# KiCad board 2000ATX.kicad_pcb (continued)
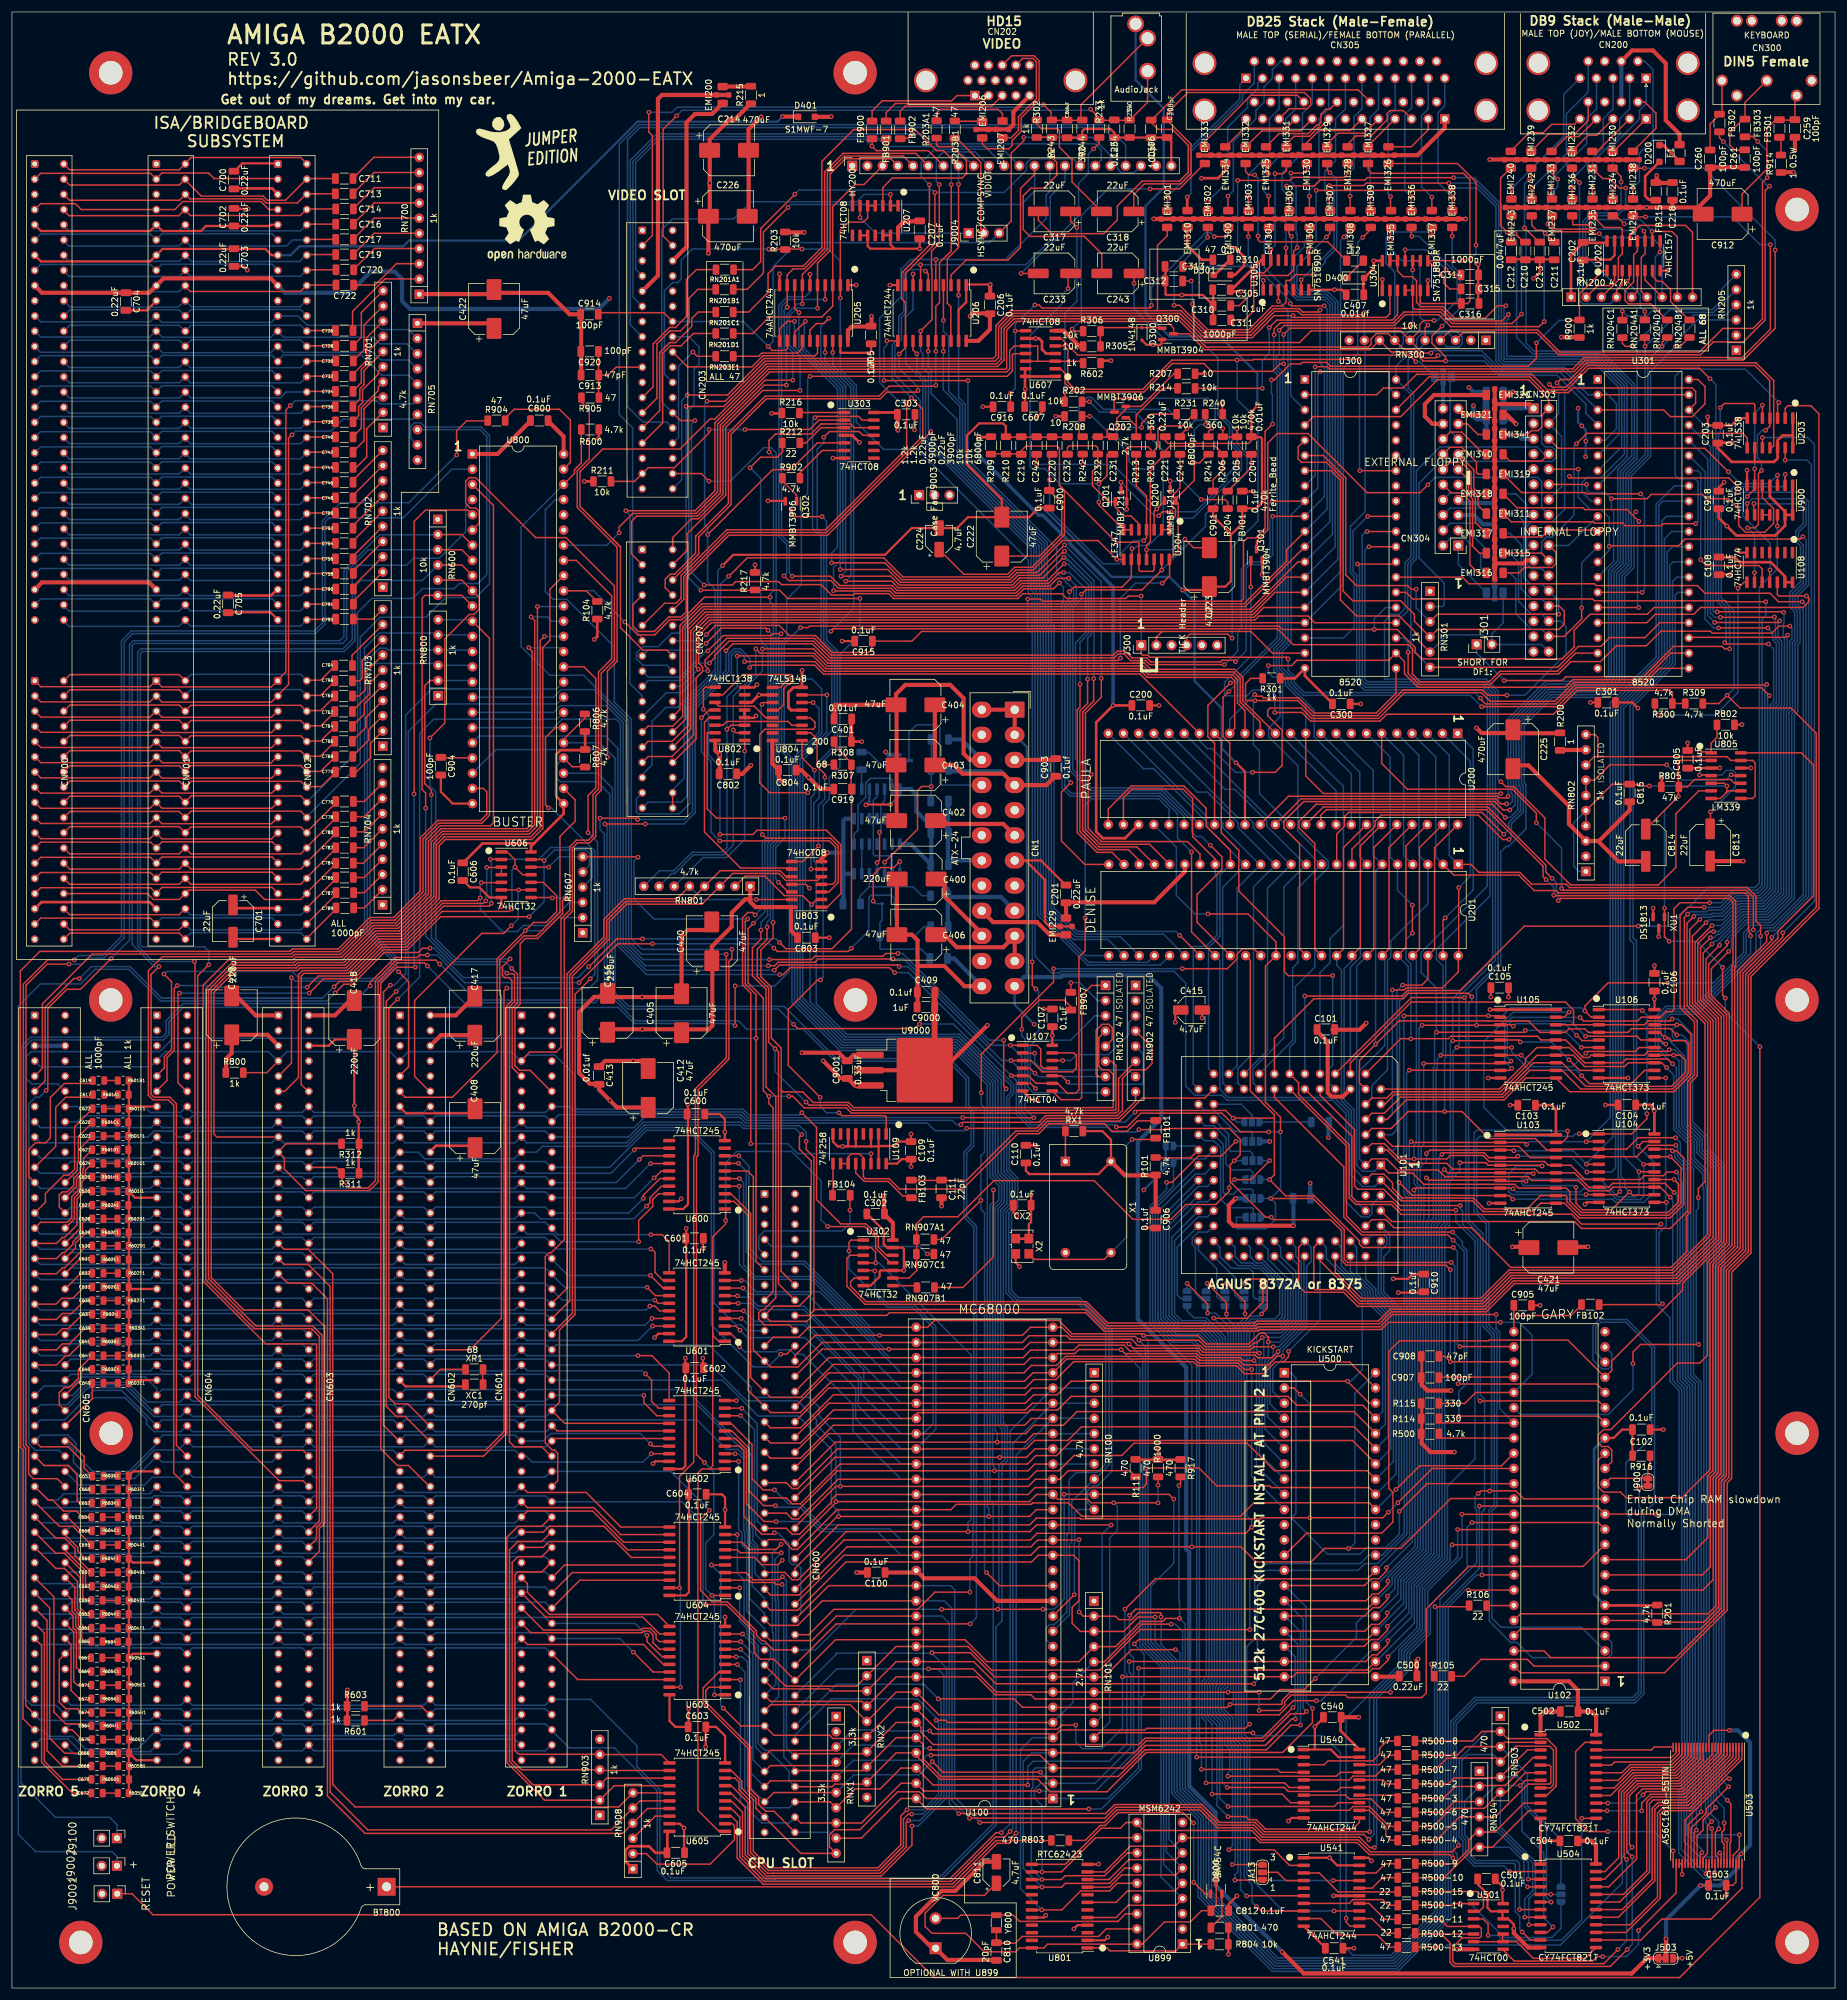
[diagram p0: board, top side]
## Routing (per net, layer and track width the routed paths; a pad name or vN(x,y) marks a point on that pad's centre or on a via; arc(x,y) is an arc through that point) (continued)
_BLS: length 93
  Top w0.25: U102.19 265.22,98.1 v1(245.47,98.1) ; v1(242.16,130.76) 232.06,130.76 229.35,133.47 225.01,133.47 224.47,134.02 224.47,143.43 218.69,149.21 U101.19
  Bottom w0.25: v1(242.16,130.76) 242.16,130.19 242.53,129.83 242.53,127.61 245.04,125.09 245.04,98.53 v1(245.47,98.1)
_BOSS: length 224.3
  Top w0.25: U800.39 96.02,233.48 97.87,231.63 ; v1(102.46,228.27) 104.63,226.11 107.45,226.11 109.99,228.65 112.02,228.65 115.79,232.41 v1(126.75,232.41) ; v1(125.22,176.78) 125.22,175.26 123.79,173.83 123.79,169.15 126.06,166.88 126.06,150.58 127.7,148.94 127.7,115.34 125.72,113.36 125.36,113.36 124.85,112.85 124.85,111.76 125.79,110.82 129.93,110.82 130.8,109.96 ; v1(126.57,256.67) 126.57,258.6 127.66,259.69 133.6,259.69 135.27,261.36 140.18,261.36 140.8,260.73 U303.12
  Bottom w0.25: 126.59,256.67 127.31,255.95 127.31,233.48 126.75,232.92 v1(126.75,232.41) 126.75,231.65 127.31,231.08 127.31,192.13 126.35,191.16 126.35,179.18 125.22,178.05 v1(125.22,176.78) ; U800.39 97.26,233.48 v1(102.46,228.27)
_BR: length 227.8
  Top w0.25: v1(130.69,161.04) 131.4,160.32 150.98,160.32 v1(151.74,161.09) ; U100.13 v1(177.61,65.72)
  Bottom w0.25: U800.27 97.89,203 100.38,200.51 100.38,166.12 102.92,163.58 128.14,163.58 v1(130.69,161.04) ; v1(177.61,65.72) 177.61,74.36 177.68,74.43 177.68,79.49 178.16,79.96 RN100.10 179.82,81.08 179.82,83.04 180.7,83.91 181.49,83.91 183.89,86.31 183.89,109.99 178.53,115.35 168.29,115.35 167.1,116.54 167.1,129.31 168.15,130.36 168.15,135.38 166.75,136.78 166.75,148.76 167.46,149.48 167.46,151 157.38,161.09 v1(151.74,161.09)
_BRST: length 337.3
  Top w0.25: 171.5,271.83 171.5,274.37 167.56,274.37 166.81,273.62 166.81,270.57 166.29,270.05 126.68,270.05 117.98,261.35 117.98,250 114.38,246.41 103.79,246.41 101.52,244.14 v1(101.52,243.18) ; 171.5,271.83 169.38,271.83 ; 171.5,271.83 176.33,271.83 ; U300.34 v1(225.35,253.54) ; U108.10 292.61,237.13 292.05,237.69 283.26,237.69 282.3,238.66 ; v1(204,225.55) 203.95,225.55 203.27,226.23 196.93,226.23 196.42,225.72 J300.4 ; 176.33,271.83 179.04,271.83 ; 176.33,271.83 176.52,271.64 ; v1(225.3,271.73) 224.88,272.15 207.58,272.15 207.45,272.02 204.86,272.02 v1(204.84,272.04) 204.81,272.02 193.91,272.02 189.04,267.15 177.73,267.15 176.52,268.36 176.52,271.64 ; 176.52,271.64 176.52,273.82 175.95,274.4 U607.5
  In1.Cu w0.25: U301.34 277.46,253.54 276.34,254.67 260.48,254.67 259.99,255.16 254.03,255.16 253.79,254.92 235.44,254.92 234.06,253.54 U300.34
  Bottom w0.25: U800.42 99.44,241.1 v1(101.52,243.18) ; v1(204,225.55) 204,240.82 208.32,245.14 208.32,261.96 204.84,265.44 v1(204.84,272.04) ; v1(225.3,271.73) 225.3,253.59 v1(225.35,253.54) ; v1(282.35,238.66) 282.35,253.06 281.86,253.54 U301.34
_BUDS: length 380.3
  Top w0.25: U605.12 98.4,36.35 ; 90.14,73.63 88.58,72.07 84.59,72.07 83.63,71.11 83.63,38.05 85.21,36.47 RN903.4 ; v1(87.85,230.84) 87.85,194.2 86.47,192.82 72.09,192.82 70.52,191.25 70.52,182.39 64.77,176.64 60.75,176.64 55.48,171.36 47.8,171.36 47.35,170.91 37.01,170.91 32.86,166.76 32.86,118.5 32.91,118.5 40.78,110.62 50.29,110.62 51.83,109.08 51.83,77.87 50.93,76.97 50.93,75.06 49.5,73.63 ; 13.35,67.12 12.62,67.12 12.3,67.44 12.3,69.74 8.89,73.15
  Bottom w0.25: 90.14,73.63 89.16,74.61 70.8,74.61 69.82,73.63 68.84,74.61 50.48,74.61 49.5,73.63 48.52,74.61 30.16,74.61 29.18,73.63 28.2,74.61 9.84,74.61 8.86,73.63 ; v1(87.85,230.84) 92.13,230.84
_BUSRST: length 494.6
  Top w0.25: 58.88,47.09 68.43,47.09 69.82,45.69 ; v1(120.91,167.45) v1(120.91,160.84) ; 169.38,273.1 167.46,273.1 167.26,272.9 167.26,270.19 166.39,269.32 v1(133.43,269.32)
  Bottom w0.25: 90.14,45.69 89.16,46.67 70.8,46.67 69.82,45.69 68.84,46.67 50.48,46.67 49.5,45.69 48.52,46.67 30.16,46.67 29.18,45.69 28.2,46.67 9.84,46.67 8.86,45.69 ; v1(120.91,167.45) 127.53,167.45 129.96,169.88 129.96,205.31 128.66,206.61 128.66,224.83 129.54,225.7 129.54,232.05 131.97,234.49 131.97,248.66 133.03,249.73 133.03,268.92 v1(133.43,269.32) ; CN605.94 7.33,47.25 3.34,47.25 1.96,48.63 1.96,157.06 3.34,158.43 25.34,158.43 26.23,159.32 26.23,161.48 28.61,163.87 101.37,163.87 104.05,161.18 120.35,161.16 120.67,160.84 v1(120.91,160.84)
_C2: length 5.3
  Top w0.25: 71.7,205.57 76.96,205.57
_C4: length 15.5
  Top w0.25: 98.07,265.76 98.07,273.38 ; CN203.19 101,270.85 99.67,269.52 98.02,269.52
_CASL: length 117
  Top w0.25: v1(203.06,117.74) 206.15,114.66 v1(206.15,112.67) ; U541.6 206.46,15.42 v1(206.43,15.39)
  Bottom w0.25: 206.15,113.87 v1(206.15,112.67) 206.15,112.07 204.64,110.57 204.64,41.48 205.41,40.72 205.41,16.41 v1(206.43,15.39) ; 203.06,116.48 v1(203.06,117.74)
_CASU: length 123.6
  Top w0.25: U541.8 208.86,12.88 208.12,13.62 v1(208.06,13.62) ; v1(208.91,112.65) 209.87,113.61 209.87,118.1 209.5,118.47 206.87,118.47 v1(206.15,117.75)
  Bottom w0.25: 206.15,116.47 v1(206.15,117.75) ; v1(208.06,13.62) 207.34,14.34 207.34,17.23 206.02,18.55 206.02,40.87 205.09,41.79 205.09,110.32 207.05,112.27 208.53,112.27 v1(208.91,112.65) 209.15,112.88 JA8.3
_CBG: length 244.8
  Top w0.25: 92.23,208.65 95.78,212.2 95.78,212.83 ; CN600.64 137.8,60.85 v1(160.21,60.85)
  Bottom w0.25: U800.29 98.23,208.08 100.83,205.48 100.83,166.31 103.11,164.03 129.11,164.03 137.83,155.31 156.7,155.31 159.94,152.08 159.94,147.53 160.79,146.68 160.79,140.7 159.61,139.51 159.61,128.99 161.25,127.35 161.25,61.89 v1(160.21,60.85)
_CBR: length 236.6
  Top w0.25: 95.83,204.09 93.68,204.09 U800.28 ; CN600.60 133.18,59.04 137.42,63.28 151.43,63.28 154.31,66.16 v1(160.16,66.16)
  Bottom w0.25: v1(160.16,66.16) 160.16,71.64 160.67,72.15 160.67,77.61 160.8,77.74 160.8,127.17 159.16,128.81 159.16,139.7 160.34,140.88 160.34,146.49 159.49,147.35 159.49,151.87 156.49,154.86 137.64,154.86 132.27,160.23 122.84,160.23 121.44,161.63 104.24,161.63 99.93,165.93 99.93,199.51 97.86,201.58 91.69,201.58 91.1,202.17 91.1,204.41 U800.28
_CDAC: length 308
  Top w0.25: 211.06,145.3 211.06,145.9 207.03,149.93 207.03,171.73 U201.34 ; 211.06,145.3 211.06,135.89 v1(210.25,135.09) 212.97,132.37 217.74,132.37 225.28,124.84 225.28,124.32 225.85,123.75 v1(241,123.75) ; 211.06,145.3 211,145.36 v1(204.18,145.36) 202.9,146.64 188.04,146.64 v1(187.77,146.37) ; v1(126.44,170.84) 127.55,170.84 128.12,171.41 134.25,171.41 134.8,171.96 v1(147.32,171.96) ; v1(166.93,157.53) U107.1 171.37,157.53 172.01,156.89 172.01,154.12 172.41,153.72 U107.11 ; v1(242.06,107.19) 251.05,107.19
  Bottom w0.25: U800.18 90.56,213.16 91.69,214.28 99.38,214.28 102.18,211.48 102.18,174.54 105.88,170.84 v1(126.44,170.84) ; v1(204.18,145.36) 204.82,144.72 JA1.1 ; v1(147.32,171.96) 149.17,171.96 149.7,171.43 149.7,171.41 163.58,157.53 v1(166.93,157.53) 168.81,155.65 168.81,146.39 170.49,144.72 186.12,144.72 v1(187.77,146.37) ; v1(241,123.75) 241.66,123.08 241.66,107.59 v1(242.06,107.19) ; JA4.3 v1(210.25,135.09)
_CIPL0: length 145.7
  Top w0.25: v1(122.49,206.69) U802.1 ; 187.42,221.37 189.35,221.37 ; 187.42,221.37 136.42,221.37 134.02,223.77 v1(125.48,223.77) ; 187.42,221.37 189.35,221.37 ; U200.13 205.79,215.09 205.79,218.98 204.41,220.36 190.36,220.36 189.35,221.37
  Bottom w0.25: v1(125.48,223.77) 125.48,220.09 122.49,217.1 v1(122.49,206.69) 122.49,191.91 119.48,188.9 115.53,188.9 RN801.6
_CIPL1: length 145.3
  Top w0.25: U802.2 121.05,209.75 v1(120.6,210.2) ; v1(124.36,223.77) 125.08,223.05 134.1,223.05 136.23,220.92 187.8,220.92 189.17,220.92 190.17,219.91 204.22,219.91 205.34,218.8 205.34,214.9 208.69,211.56 U200.14
  Bottom w0.25: RN801.7 110.33,186.24 110.83,186.24 113.94,189.35 118.96,189.35 120.6,190.99 v1(120.6,210.2) 120.59,210.21 120.59,215.84 124.36,219.61 v1(124.36,223.77)
_CIPL2: length 147.3
  Top w0.25: U200.15 206.15,213.46 204.89,214.71 204.89,218.61 204.04,219.46 189.99,219.46 188.98,220.47 187.4,220.47 136.05,220.47 133.92,222.6 v1(121.26,222.6) ; v1(119.53,210.34) 120.22,211.02 122.46,211.02
  Bottom w0.25: RN801.8 108.24,186.69 110.64,186.69 113.75,189.8 118.77,189.8 119.53,190.56 v1(119.53,210.34) 119.53,215.77 121.26,217.5 v1(121.26,222.6)
_CLKRD: length 199
  Top w0.25: v1(240.9,21.76) 240.37,22.29 226.93,22.29 224.91,24.31 208.65,24.31 207.85,25.12 U899.8 194.29,23.7 186.97,23.7 182.67,19.4 180.08,19.4
  Bottom w0.25: v1(240.9,21.76) 240.9,22.5 240.58,22.82 240.58,44.55 244.58,48.55 270.99,48.55 271.94,49.5 271.94,77.17 269.85,79.26 269.85,87.78 274.17,92.1 274.17,106.92 269.84,111.25 265.62,111.25 264.77,110.4 264.77,106.17 U102.22
_CLKWR: length 215.3
  Top w0.25: v1(241.86,23.85) 240.76,22.74 227.11,22.74 225.1,24.76 208.84,24.76 207.28,26.32 189.22,26.32 188.09,27.45 ; U899.10 186.27,27.66 185.32,26.71 182.13,26.71 176.09,20.67 170.28,20.67
  Bottom w0.25: v1(241.86,23.85) 241.86,24.41 241.48,24.79 241.48,44.13 245,47.65 271.37,47.65 272.84,49.12 272.84,79.34 274.62,81.12 274.62,107.11 270.02,111.7 265.43,111.7 264.32,110.59 264.32,104.96 265.8,103.47 266.88,103.47 267.47,104.06 267.47,106.01 U102.23
_COPCFG: length 240.7
  Top w0.25: U606.12 v1(89.74,187.3) ; v1(104.66,188.97) 104.6,189.03 RN607.6 ; v1(123,178.62) 122.6,178.22 122.6,167.81 124.4,166 124.4,121.43 CN600.11
  Bottom w0.25: v1(124.41,158.7) 26.93,158.7 24.7,156.47 3.22,156.47 2.41,155.67 2.41,151.94 3.26,151.09 7.63,151.09 CN605.12 ; v1(123,178.62) 107.35,178.62 104,181.98 104,188.31 v1(104.66,188.97) ; v1(89.74,187.3) 91.47,189.03 RN607.6
_CSYNC: length 239.3
  Top w0.25: v1(131.57,279.97) 130.87,280.67 U205.8 ; v1(137.36,233.5) 137.41,233.45 146.78,233.45 147.59,232.64 168.02,232.64 169.18,233.81 174.12,233.81 v1(175.11,234.8) ; U201.32 197.21,176.47 197.21,190
  Bottom w0.25: v1(137.36,233.5) 137.36,237.43 138.47,238.54 138.47,267.32 131.57,274.22 v1(131.57,279.97) ; U101.80 223.48,132.73 223.48,146.38 221.06,148.8 203.34,148.8 201.95,150.19 201.95,171.73 U201.32 ; v1(175.11,234.8) 175.78,234.12 175.78,231.63 175.57,231.41 175.57,200.51 176.89,199.18 191.91,199.18 194.86,196.22 194.86,192.18 v1(197.21,189.84)
_CUTOFF: length 48.3
  Top w0.25: U304.3 231.65,279.6 230.76,278.71 211.45,278.71 v1(210.21,277.47) ; 197.74,267.31 v1(209.04,267.31)
  Bottom w0.25: v1(210.21,277.47) 210.21,273.15 209.04,271.98 v1(209.04,267.31)
_D2P: length 233.7
  Top w0.25: U604.1 v1(117.04,65.61) ; U603.1 v1(117.45,49) ; v1(120.36,173.57) 120.36,171.97 120.29,171.97 119.87,171.55 119.87,155.24 114.71,150.08 114.71,139.13 114.44,138.85 114.44,138.85 114.44,121.61 114.44,121.6 114.44,89.17 115.78,87.83 v1(115.78,87.82)
  Bottom w0.25: v1(117.45,49) 117.45,65.2 v1(117.04,65.61) 115.98,66.68 115.98,74.39 117.34,75.75 117.34,86.26 v1(115.78,87.82) ; U800.45 90.86,248.72 89.18,247.04 89.18,233.32 90.44,232.06 92.77,232.06 100.71,224.12 100.71,214.86 103.55,212.03 103.55,175.32 105.31,173.56 120.35,173.56 v1(120.36,173.57)
_DBOE: length 247
  Top w0.25: U603.19 v1(111.76,50.27) ; U604.19 v1(111.61,66.88) 111.61,85.49 113.99,87.87 113.99,139.04 114.26,139.31 114.26,150.26 119.42,155.42 v1(119.42,172.74) ; R600.1 95.19,254.85 94.06,253.72 94.06,253.09 U800.46
  Bottom w0.25: v1(111.76,50.27) 111.76,66.73 v1(111.61,66.88) ; v1(119.42,172.74) 105.26,172.74 103.1,174.9 103.1,211.84 95.58,219.36 89.93,219.36 85.12,224.17 85.12,244.14 U800.46
_DBR: length 159.6
  Top w0.25: v1(216.15,165.76) 232.39,165.76 233.31,166.68 242.09,166.68 252.85,177.44 v1(271.91,177.44) ; v1(295.15,244.3) 295.15,246.14
  Bottom w0.25: v1(271.91,177.44) 277.15,177.44 283.61,183.9 291.41,183.9 292.16,184.64 292.16,234.14 295.15,237.13 v1(295.15,244.3) ; U101.20 v1(216.15,165.76)
_DKRD: length 113.1
  Top w0.25: 209.17,218.85 207.11,218.85 206.24,217.98 206.24,215.27 206.38,215.14 v1(207.82,215.14) 214.96,215.14 217.49,212.61 228.28,212.61 232.59,216.92 245.87,216.92 246.76,216.03 v1(249.94,216.03)
  Bottom w0.25: v1(249.94,216.03) 252.93,216.03 259.84,222.94 259.84,227.43 258.88,228.4 CN303.30 255.76,229.57 254.03,229.57 251.87,231.72 251.87,238.25 250.35,239.78 EMI323.1 ; U200.37 208.56,199.61 208.56,206.75 207.56,207.75 207.56,214.88 v1(207.82,215.14)
_DKWD: length 208.4
  Top w0.25: U102.9 279.83,71.58 283.51,75.26 283.51,85.6 284.36,86.46 284.36,120.91 287.56,124.11 287.58,168.1 287.58,170.8 287.75,170.97 287.75,181.39 287.06,182.08 258.89,182.08 v1(258.52,181.71) ; U200.38 219.25,197.35 242.46,197.35 246.72,197.35 256.43,187.64 256.43,186.49 v1(257.51,185.42)
  Bottom w0.25: v1(257.51,185.42) 258.21,184.72 258.21,183.54 258.52,183.23 v1(258.52,181.71)
_DTACK: length 393
  Top w0.25: v1(115.93,64.08) 119.44,64.08 124.03,59.49 124.03,56.07 125.16,54.94 127.39,54.94 CN600.66 137.69,58.2 159.34,58.2 163.01,54.53 U100.10 178.38,54.53 RN101.4 184.51,57.05 188.71,61.26 192.41,61.26 192.92,61.77 v1(195.21,61.76) ; R917.2 195.38,84.27 195.1,84 v1(195.1,83.98) ; v1(237.91,63.72) 243.49,63.72
  Bottom w0.25: v1(195.1,83.98) 195.1,64.77 195.21,64.66 v1(195.21,61.76) 196.16,60.81 196.16,33.43 200.56,29.04 200.56,16.13 211.65,5.04 212.33,5.04 230.77,5.04 238.3,12.56 238.3,63.33 v1(237.91,63.72) ; v1(115.93,64.08) 115.53,64.48 115.53,77.74 112.01,81.25 90.14,81.25 89.16,82.23 70.8,82.23 69.82,81.25 68.84,82.23 50.48,82.23 49.5,81.25 48.52,82.23 30.16,82.23 29.18,81.25 28.2,82.23 23.76,82.23 23.44,81.91 11.42,81.91 10.77,81.25 CN605.66
_EBG1: length 238.1
  Top w0.25: v1(9.53,171.09) 5.89,171.09 2.35,167.55 2.35,90.76 2.8,90.31 2.8,85.86 3.56,85.11 7.57,85.11 CN605.64
  Bottom w0.25: U800.2 73.53,253.8 65.4,245.66 53.03,245.66 52.34,244.97 52.34,227.93 50.73,226.32 20.15,226.32 18.75,224.92 18.75,175.49 15.35,172.09 12.65,172.09 11.65,171.09 v1(9.53,171.09)
_EBG2: length 221.5
  Top w0.25: U800.3 80.49,247.75 80.49,194.72 79.98,194.21 71.55,194.21 69.16,191.82 69.16,182.94 64.21,177.99 60.19,177.99 54.92,172.71 47.25,172.71 46.86,172.33 25.14,172.33 22.8,169.99 22.8,149.18 23.57,148.4 26.16,148.4 27.05,147.52 27.05,86.06 CN604.64
_EBG3: length 233.4
  Top w0.25: 30.61,171.44 30.61,98.83 44.66,84.77 48.65,84.77 CN603.64
  Bottom w0.25: v1(30.51,171.54) 23.58,171.54 21.01,174.11 21.01,223.22 21.57,223.78 55.34,223.78 56.88,225.32 56.88,236.98 57.65,237.75 65.97,237.75 67.14,238.92 71.45,238.92 75.86,243.34 75.86,247.59 U800.4
_EBG4: length 180.9
  Top w0.25: 69.82,83.79 66.3,87.31 64.45,87.31 61.67,90.1 61.67,167.92 64.33,170.59 v1(67.44,170.59) ; v1(67.23,199.54) 67.23,245.06 69.15,246.98 76.19,246.98 U800.5
  Bottom w0.25: v1(67.23,199.54) 67.23,170.79 v1(67.44,170.59)
_EBG5: length 200.8
  Top w0.25: CN601.64 91.25,84.77 91.25,89.35 90.68,89.92 90.32,89.92 89.16,91.07 89.16,122.24 89.8,122.87 90.16,122.87 92.35,125.06 92.35,178.57 93.71,179.93 93.71,190.54 94.53,191.36 96.55,191.36 97.6,192.41 97.6,199.26 98.51,200.18 98.51,219.7 100.72,221.9 100.72,234.27 92.62,242.37 87.54,242.37 77.53,252.38 76.45,252.38 75.86,251.8 75.86,248.06 76.62,247.3 77.53,247.3 78.11,246.72 78.11,244.76 U800.6
_EBR1: length 221.6
  Top w0.25: RN600.2 75.21,242.87 U800.7 ; v1(16.56,172.01) 11.45,166.9 9.19,166.9 5.99,163.7 5.99,150.27 v1(5.72,149.99)
  Bottom w0.25: CN605.60 7.91,89.85 3.92,89.85 2.83,90.94 2.83,147.77 3.92,148.85 4.58,148.85 v1(5.72,149.99) ; v1(16.56,172.01) 19.65,175.12 19.65,224.5 20.28,225.13 54.81,225.13 55.5,225.82 55.5,236.87 61.46,242.83 70.44,242.83 71.2,243.59
_EBR2: length 213.2
  Top w0.25: RN600.3 75.21,240.33 U800.8 ; v1(24.57,170.69) 23.25,169.37 23.25,149.36 23.76,148.85 26.41,148.85 27.5,147.76 27.5,90.69 CN604.60
  Bottom w0.25: RN600.3 59.6,240.33 55.95,236.68 55.95,225.34 55.28,224.68 20.49,224.68 20.1,224.29 20.12,175.4 20.12,174.37 23.8,170.69 v1(24.57,170.69)
_EBR3: length 226
  Top w0.25: RN600.4 75.21,237.79 U800.9 ; v1(32.89,170.99) 31.06,169.16 31.06,99.02 40.22,89.85 48.65,89.85 CN603.60
  Bottom w0.25: v1(32.89,170.99) 32.89,173.28 32.18,173.99 21.77,173.99 21.46,174.29 21.46,222.96 21.83,223.33 55.56,223.33 57.33,225.1 57.33,234.19 58.35,235.21 68.61,235.21 RN600.4
_EBR4: length 178.9
  Top w0.25: 69.82,88.87 78.84,88.87 82.73,92.76 82.73,150.88 82.73,164.16 83.57,165 83.57,168.35 83.08,168.85 82.38,168.85 82,169.22 82,170.67 v1(83.29,171.96) ; v1(69.88,208.89) 72.37,211.39 72.37,225.45 76.45,229.52 77.24,229.52 78.11,230.4 78.11,232.35 U800.10 75.21,235.25 RN600.5
  Bottom w0.25: v1(69.88,208.89) 69.88,200.89 70.85,199.91 70.85,175.37 74.27,171.96 v1(83.29,171.96)
_EBR5: length 169.7
  Top w0.25: 82.83,169.47 83.82,169.47 84.02,169.26 84.02,164.81 83.18,163.97 83.18,162.97 83.18,91.28 84.02,90.43 88.58,90.43 90.14,88.87 ; v1(69.16,197.15) 69.16,199.67 68.57,200.27 68.57,232.22 69.06,232.71 RN600.6 75.21,232.71 U800.11
  Bottom w0.25: v1(69.16,197.15) 69.16,175.79 73.91,171.04 81.26,171.04 v1(82.73,169.57)
_EC1: length 200
  Top w0.25: RN902.4 190.6,157.18 190.6,154.48 189.54,153.42 187.08,153.42 185.66,152.01 185.66,146.65 184.78,145.77 181.12,145.77 181.12,145.77 172.78,145.77 171.69,144.67 159.05,144.67 v1(158.65,144.27)
  Bottom w0.25: 90.14,144.75 89.16,145.73 70.8,145.73 69.82,144.75 68.84,145.73 50.48,145.73 49.5,144.75 48.52,145.73 30.16,145.73 29.18,144.75 28.2,145.73 11.88,145.73 10.9,144.75 CN605.16 ; CN601.16 91.46,145.94 121.88,145.94 122.83,144.99 157.18,144.99 157.9,144.27 v1(158.65,144.27)
_EC3: length 193.8
  Top w0.25: v1(168.83,160.2) 168.83,162.18 171.74,165.09 175.93,165.09 177.04,163.98 FB907.1 ; v1(158.95,145.44) v1(170.84,145.44)
  Bottom w0.25: 90.14,147.29 89.16,146.31 70.8,146.31 69.82,147.29 68.84,146.31 50.48,146.31 49.5,147.29 48.52,146.31 30.16,146.31 29.18,147.29 28.2,146.31 23.1,146.31 22.12,147.29 CN605.14 ; v1(170.84,145.44) 169.37,146.91 169.37,158.57 168.83,159.1 v1(168.83,160.2) ; v1(158.95,145.44) 123.02,145.44 122.06,146.39 94.27,146.39 93.37,147.29 CN601.14
_EINT1: length 387.7
  Top w0.25: RN801.2 122.59,185.8 125.88,185.8 129.15,182.53 132.2,182.53 v1(133.68,181.05) 134.52,181.89 ; 13.35,41.53 11.68,41.53 10.06,43.15 CN605.96
  Bottom w0.25: 158.26,158.91 161.5,155.67 ; 158.26,158.91 161.5,155.67 ; 158.26,158.91 139.36,158.91 133.44,164.84 133.44,180.81 v1(133.68,181.05) ; 161.5,155.67 161.52,155.67 ; 161.5,155.67 161.52,155.67 ; 161.52,155.67 165.4,151.79 165.4,136.22 166.8,134.82 166.8,130.92 165.75,129.87 165.75,94.45 166.43,93.77 166.43,88.1 165.53,87.19 165.53,61.34 164.52,60.32 164.52,27.28 155.2,17.96 109.58,17.96 107.88,19.65 107.88,32.96 100.7,40.14 93.16,40.14 89.16,44.13 70.8,44.13 69.82,43.15 68.84,44.13 50.48,44.13 49.5,43.15 48.52,44.13 30.16,44.13 29.18,43.15 28.2,44.13 9.84,44.13 8.86,43.15
_EINT4: length 197.1
  Top w0.25: 90.14,109.19 93.7,112.75 93.7,169.09 99.87,175.25 99.87,178.2 102.78,181.12 115.36,181.12 RN801.3 120.5,186.25 128.19,186.25 129.37,185.07 134.72,185.07 U803.5
  Bottom w0.25: 8.86,109.19 9.84,110.17 28.2,110.17 29.18,109.19 30.16,110.17 48.52,110.17 49.5,109.19 50.48,110.17 68.84,110.17 69.82,109.19 70.8,110.17 89.16,110.17 90.14,109.19
_EINT5: length 189.9
  Top w0.25: U803.10 129.42,185.7 128.42,186.7 118.41,186.7 RN801.4 113.27,181.57 102.6,181.57 99.42,178.38 99.42,175.44 93.25,169.28 93.25,114.84 90.14,111.73
  Bottom w0.25: 8.86,111.73 9.84,112.71 28.2,112.71 29.18,111.73 30.16,112.71 48.52,112.71 49.5,111.73 50.48,112.71 68.84,112.71 69.82,111.73 70.8,112.71 89.16,112.71 90.14,111.73
_EINT7: length 187.1
  Top w0.25: RN801.5 111.18,182.02 102.39,182.02 98.96,178.59 98.96,175.62 92.8,169.46 92.8,116.93 90.14,114.27 ; U803.13 v1(124.46,181.89)
  Bottom w0.25: 8.86,114.27 9.84,115.25 28.2,115.25 29.18,114.27 30.16,115.25 48.52,115.25 49.5,114.27 50.48,115.25 68.84,115.25 69.82,114.27 70.8,115.25 89.16,115.25 90.14,114.27 ; v1(124.46,181.89) 115.48,181.89 RN801.5
_EXRAM: length 12.9
  Top w0.25: 238.48,92.61 239.19,91.9 U102.32
_FIR0: length 138.6
  Top w0.25: v1(273.1,295.96) 271.05,295.96 ; v1(217.88,270.92) 219.91,270.92 220.27,270.55 260.95,270.55 262.87,272.47 289.29,272.47 293.98,277.16 v1(293.98,291.34)
  Bottom w0.25: v1(273.1,295.96) 287.63,295.96 292.25,291.34 v1(293.98,291.34) ; U300.8 217.88,252.73 v1(217.88,270.92)
_FIR1: length 566
  Top w0.25: v1(116.61,221.41) 117.51,222.31 117.51,222.69 119.89,225.07 133.99,225.07 136.79,222.27 184.29,222.27 184.97,222.95 185.89,222.95 187.02,221.82 189.54,221.82 190.21,221.15 v1(202.7,221.15) ; v1(218.69,270.1) 261.14,270.1 263.05,272.02 289.47,272.02 294.79,277.34 v1(294.79,290.42) ; v1(272.95,304.09) 271.04,304.09 ; U300.9 v1(210.72,248.46) ; v1(245.72,214.12) 258.34,214.12 261.5,217.29 292.49,217.29 v1(293.81,215.97) ; U101.78 227.35,128.39 229.72,128.39 231.07,127.04 243.96,127.04 250.6,120.41 277.36,120.41 280.02,123.08 280.02,129.07 280.61,129.66 280.61,151.27 281.76,152.41 281.76,161.6 279.6,163.76 279.6,178.87 v1(280.16,179.43)
  Bottom w0.25: v1(245.72,214.12) 243.83,216.02 215.89,216.02 213.87,218.04 213.87,219.12 212.32,220.67 212.32,223.23 213.87,224.78 213.87,246.18 U300.9 218.33,250.64 218.33,269.74 v1(218.69,270.1) ; v1(116.61,221.41) 114.73,221.41 111.8,218.49 106.36,218.49 CN207.19 ; v1(294.79,290.42) 294.79,292.1 282.8,304.09 v1(272.95,304.09) ; v1(210.72,248.46) 210.04,247.79 210.04,245.58 210.32,245.31 210.32,239.63 209.65,238.96 209.65,238.94 209.01,238.3 206.72,238.3 205.54,237.12 205.54,227.24 204.93,226.62 204.93,223.37 v1(202.7,221.15) ; v1(293.81,215.97) 293.51,215.67 293.51,183.92 292.13,182.55 288.21,182.55 285.8,180.14 283.62,180.14 283.31,179.83 280.57,179.83 v1(280.16,179.43)
_GBG: length 314.6
  Top w0.25: 4.7,173.23 46.49,173.23 46.89,173.63 54.56,173.63 59.82,178.89 63.83,178.89 68.26,183.33 68.26,192.19 71.18,195.11 78.34,195.11 79.38,196.15 79.38,199.89 78.82,200.46 U800.23 ; 4.65,173.2 1.4,169.95 1.4,90.37 1.85,89.91 1.85,45.01 3.73,43.13
  Bottom w0.25: 85.06,43.15 84.08,42.17 65.72,42.17 64.74,43.15 63.76,42.17 45.4,42.17 44.42,43.15 43.44,42.17 25.08,42.17 24.1,43.15 ; CN605.95 4.99,43.15 6.1,42.04 10.15,42.04 12.24,39.95 21.03,39.95 CN604.95
_HLT: length 403.7
  Top w0.25: v1(243.48,66.5) U102.42 ; CN600.55 126.81,63.14 131.38,63.14 139.43,71.19 170.45,71.19 171.58,72.31 U100.17 177.49,72.31 178.4,71.4 178.4,64.75 177.25,63.6 177.25,60.95 178.61,59.59 RN101.3 185.86,59.59 188.27,62 v1(191.11,62)
  Bottom w0.25: 86.04,94.93 85.06,93.95 84.08,94.93 65.72,94.93 64.74,93.95 63.76,94.93 45.4,94.93 44.42,93.95 43.44,94.93 25.08,94.93 24.1,93.95 ; 3.78,93.95 4.76,94.93 8.78,94.93 13.73,99.88 18.31,99.88 CN604.55 ; v1(191.11,62) 191.11,57.79 194.35,54.55 194.35,32.7 198.76,28.29 198.76,15.39 210.9,3.24 231.51,3.24 240.13,11.85 240.13,63.65 242.98,66.5 v1(243.48,66.5) ; CN600.55 125.83,65.12 123.75,67.2 123.75,73.59 122.97,74.37 122.97,76.42 122.79,76.6 122.79,88.6 121.38,90.01 119.46,90.01 114.54,94.93 86.17,94.93 CN601.55
_HSYNC: length 301.1
  Top w0.25: v1(132.08,290.58) 129.29,290.58 ; v1(138.49,282.38) U205.2 138.49,293.69 139.89,295.08 142.37,295.08 143.07,295.78 U207.5 U207.4 ; v1(126.52,290.55) 129.26,290.55
  Bottom w0.25: v1(132.08,290.58) 136.46,290.58 138.49,288.54 v1(138.49,282.38) 138.49,270.48 141.17,267.8 141.17,261.67 145.74,257.1 151.44,257.1 169.93,238.62 169.93,233.08 170.55,232.45 170.55,227.09 171.04,226.59 171.04,172.41 173.84,169.61 175.08,169.61 175.36,169.88 194.3,169.88 196.24,167.94 196.24,150.71 197.77,149.18 202.32,149.18 203.15,148.35 220.84,148.35 223.03,146.16 223.03,131.4 225.57,128.86 226.81,128.86 227.35,129.4 227.35,130.93 U101.81 ; v1(126.52,290.55) 126.47,290.6 113.74,290.6 111.89,288.75 111.89,285.57 111.32,284.99 110.46,284.99 109.09,283.62 109.09,269.68 CN203.22
_INDEX: length 113.8
  Top w0.25: RN301.6 258.41,220.7 261.9,224.19 265.64,224.19 267.11,225.65 273.01,225.65 275.5,228.14 U301.24 ; EMI340.1 250.43,255.16 255.76,255.16 CN303.8
  Bottom w0.25: RN301.6 233.88,223.9 233.88,227.77 233.87,227.77 233.87,237.87 234.8,238.8 234.8,253.55 238.75,257.51 254.96,257.51 256.14,256.34 CN303.8
_INT2: length 472.2
  Top w0.25: 55.17,141.07 45.82,141.07 44.42,139.67 ; CN603.19 45.53,138.69 45.53,136.84 49.12,133.25 59.77,133.25 61.22,134.7 61.22,168.11 64.42,171.31 68.94,171.31 v1(69.46,170.79) ; v1(207.77,216.15) 208.06,215.86 208.96,215.86 209.24,215.59 215.15,215.59 217.68,213.06 228.09,213.06 231.39,216.36 U300.21 ; U200.16 204.43,210.48 204.43,218.43 203.85,219.01 189.8,219.01 188.79,220.02 135.86,220.02 134.24,221.64 v1(122.48,221.64) ; v1(105.89,194.51) v1(99.14,194.51)
  Bottom w0.25: 3.78,139.67 4.76,138.69 23.12,138.69 24.1,139.67 25.08,138.69 43.44,138.69 44.42,139.67 45.4,138.69 63.76,138.69 64.74,139.67 67.92,139.67 69.03,138.56 83.95,138.56 85.06,139.67 87.7,139.67 88.68,140.65 102.81,140.65 105.92,143.77 113.28,143.77 117.39,139.66 117.39,114.47 121.02,110.84 121.88,110.84 122.88,109.84 CN600.19 ; v1(99.14,194.51) 99.48,194.17 99.48,166.67 97.46,164.64 75.62,164.64 69.46,170.8 v1(69.46,170.79) ; v1(105.89,194.51) 112.34,194.51 114.22,196.4 114.22,213.74 120.28,219.8 120.28,222.67 120.91,223.3 120.91,223.32 121.61,223.32 122.48,222.45 v1(122.48,221.64) ; U200.16 203.61,211.99 v1(207.77,216.15)
_INT3: length 72.6
  Top w0.25: U200.17 202.19,208.53 202.19,193.03 205.12,190.1 205.12,183.29 212.74,175.67 212.74,169.83 213.41,169.16 v1(220.81,169.16)
  Bottom w0.25: U101.17 220.2,151.25 220.2,153.62 220.81,154.24 v1(220.81,169.16)
_INT6: length 516.7
  Top w0.25: v1(71.51,171.09) 70.84,171.76 64.23,171.76 60.77,168.29 60.77,134.91 59.56,133.7 56.41,133.7 55.17,134.94 55.17,136.14 54.18,137.13 CN603.22 ; U301.21 275.42,220.52 273.08,218.19 261.13,218.19 258.94,215.99 258.92,215.99 257.95,215.02 247.11,215.02 245.67,216.47 232.82,216.47 228.51,212.16 217.31,212.16 215.58,213.88 210.33,213.88 209.95,213.51 209.95,212.59 212.35,210.19 212.35,204.3 211.2,203.15 v1(207.4,203.15) ; v1(98.32,195.48) 104.39,195.48 v1(104.6,195.28) ; CN600.22 129.53,105.92 v1(128.53,105.92) ; v1(123.34,220.65) 123.74,221.05 134.19,221.05 135.67,219.57 188.61,219.57 U200.18